# KiCad board PB-TMDSP.kicad_pcb (continued)
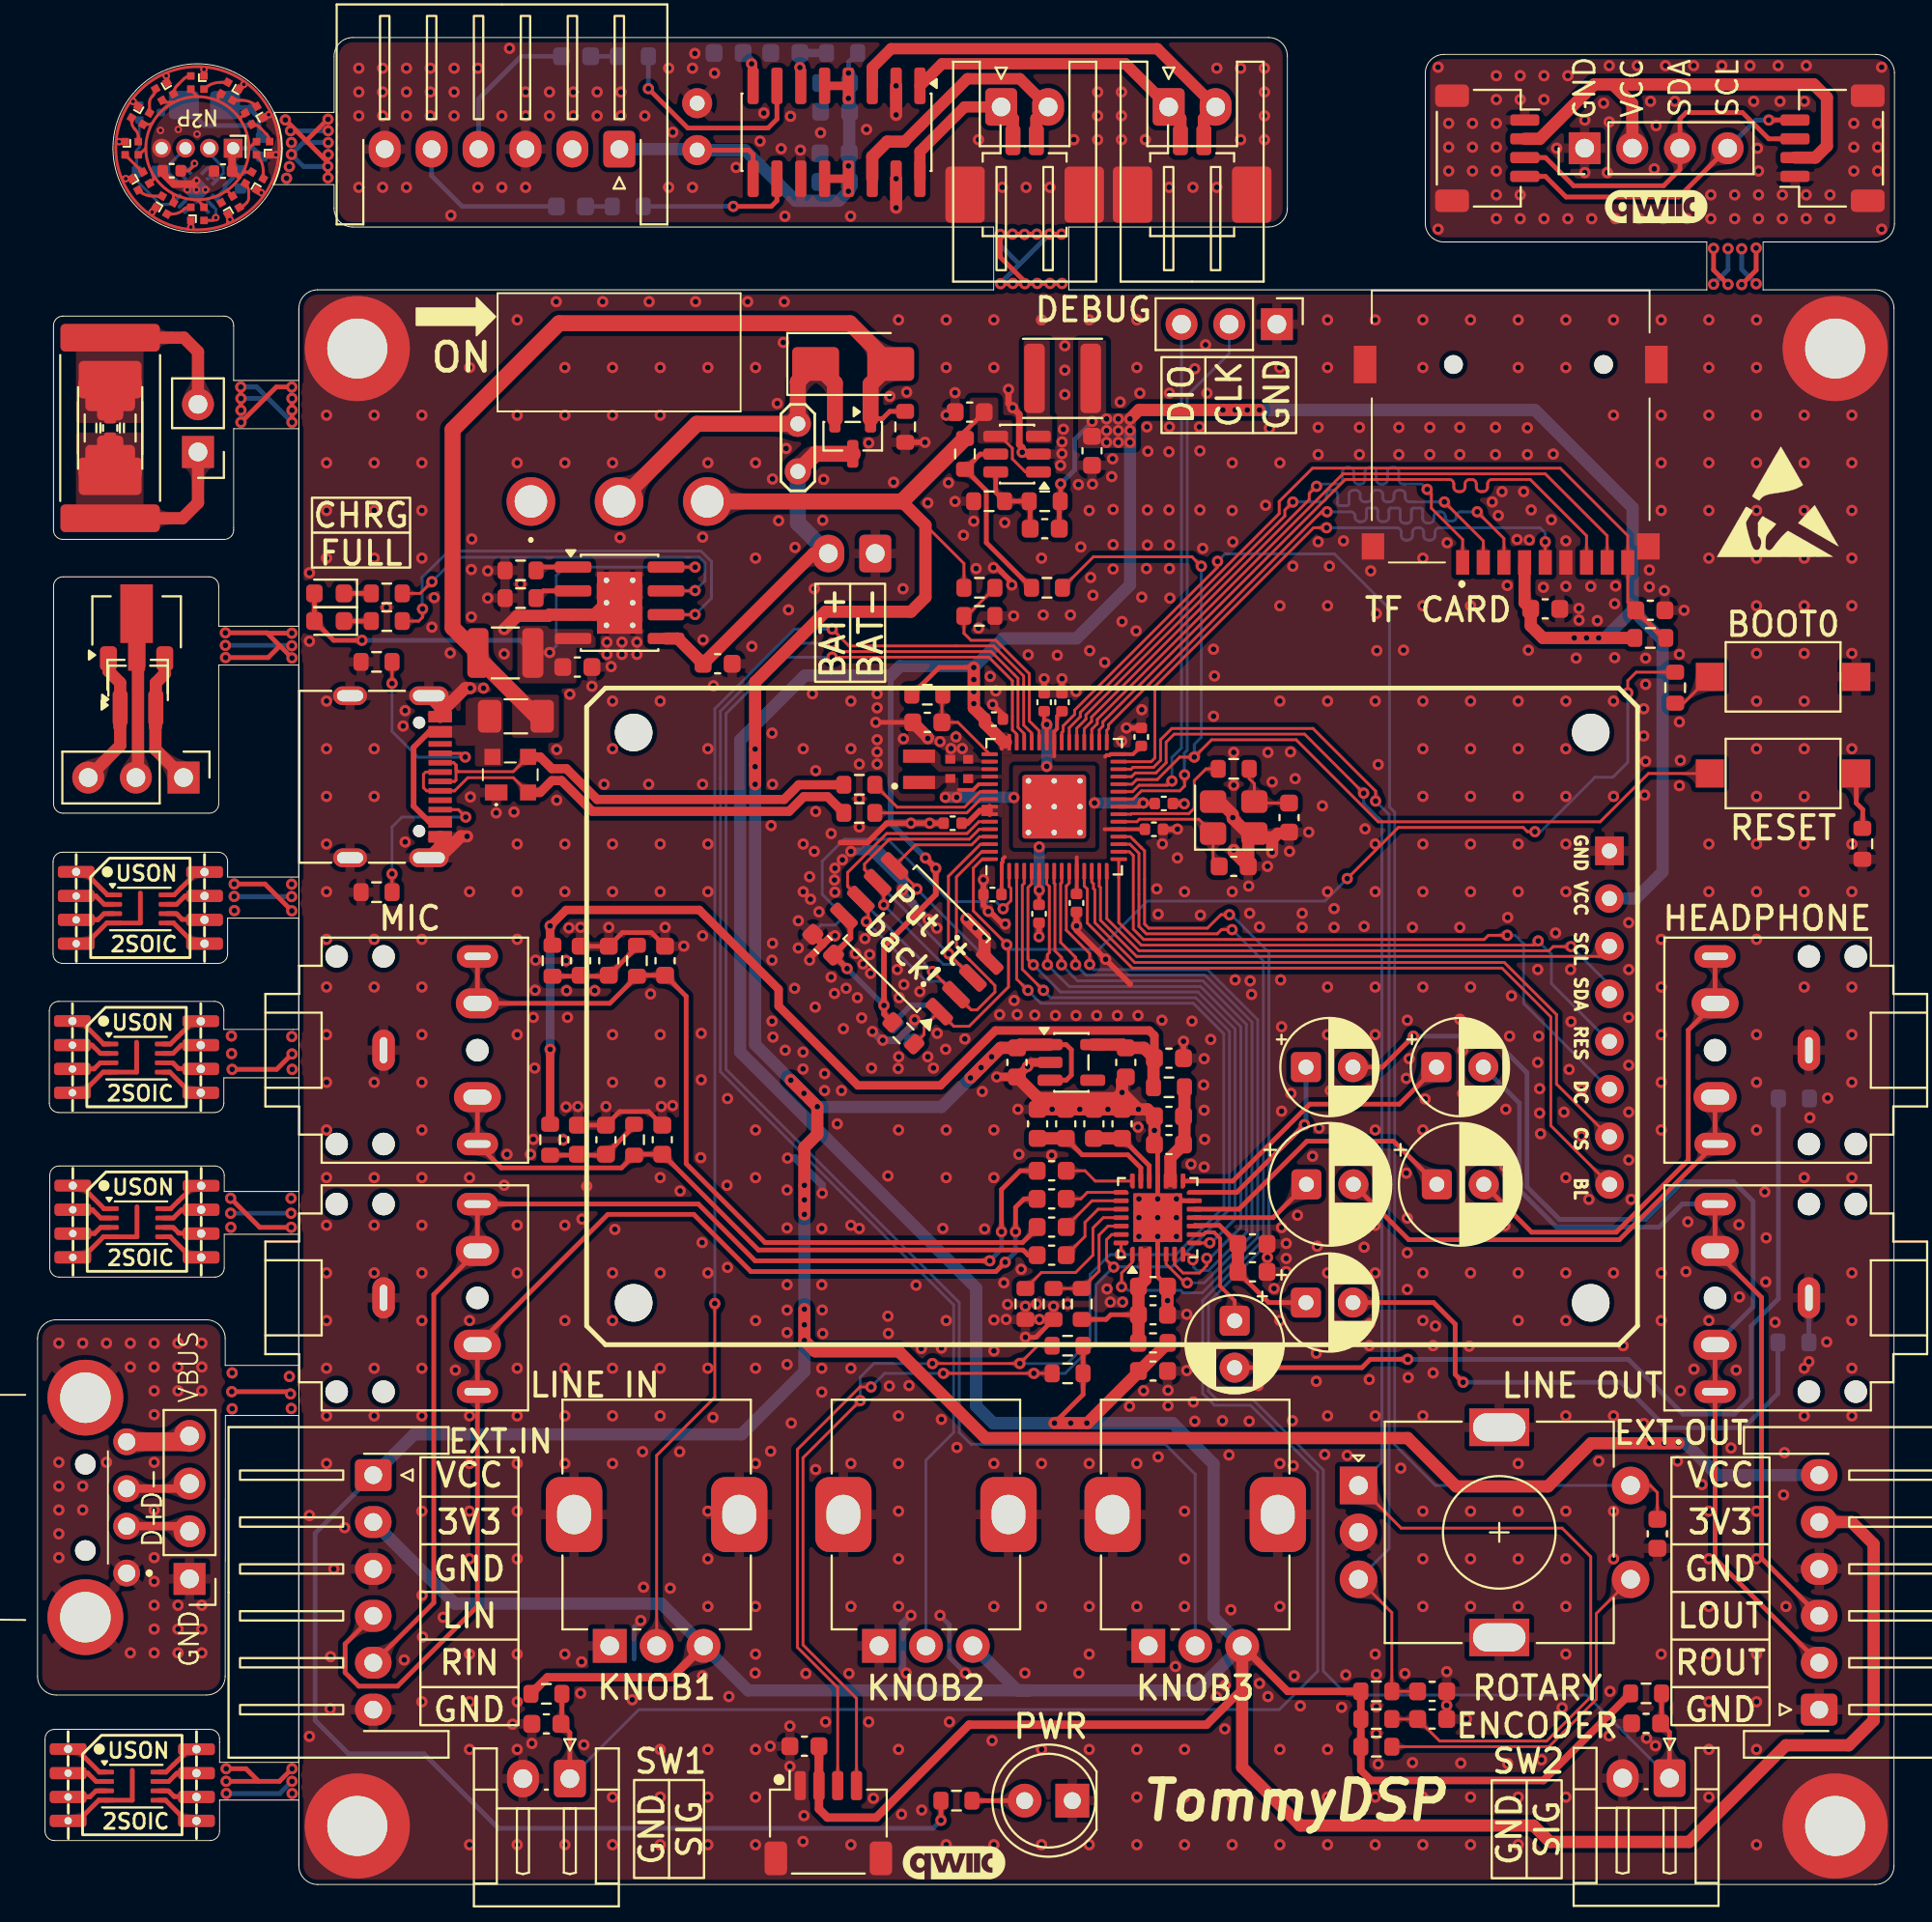
[diagram p0: board, top side]
## Routing (per net, layer and track width the routed paths; a pad name or vN(x,y) marks a point on that pad's centre or on a via; arc(x,y) is an arc through that point) (continued)
VBAT: length 20
  Top w0.65: J401.2 41.34,70.94 C407.1 34.12,66.41 33.49,66.41
  Top w0.85: Q401.3 41.45,76.26 JP401.1
  Bottom w0.85: JP401.1 40.52,72.57 J401.2
VBUS: length 52.9
  Top w0.25: Q401.1 45.03,78.13 45.41,78.52 R409.1
  Top w0.85: Q401.1 44.39,79.97 D403.2 43.29,83.22 27.79,83.22 22.12,77.54 22.12,66.99 R404.1 23.47,65.39 26.59,62.27 F501.2
  Top w1: J1#6.4 7.79,23.6 J2#2.4
VCC: length 294.7
  Top w0.15: D4.3 5.42,92.2 5.77,92.55 ; 7.16,90.16 7.25,90.07 D2.3 ; D3.3 6.19,90.89 6.19,91.08 ; 8.52,89.8 8.87,89.45 D1.3 ; 11.27,92.55 11.62,92.9 D10.3 ; 49.36,69.12 49.36,70.41 47.32,72.46 ; 7.24,94.99 7.23,95 6.74,95 D6.3 ; 53.33,75.29 52.64,75.29 51.95,75.99 51.95,76.55 51.31,77.19 U402.4 ; D5.3 6.04,93.82 6.13,93.91 ; 8.52,95.3 8.17,95.65 D7.3 ; 10.82,94.06 10.82,94.17 D9.3 ; D11.3 10.98,91.28 10.91,91.21 ; D12.3 10.14,90.25 10.04,90.25 ; 9.62,95.06 9.62,95.28 D8.3
  Top w0.25: U1#3.8 7.28,52.75 7.67,53.14 7.68,53.14 7.88,53.34 7.88,53.34 8.51,53.97 U2#2.8 ; C1#2.1 37.9,92.45 38.13,92.22 U1#2.9 ; C2.1 10.44,91.33 10.74,91.02 10.74,91.02 ; U1#5.8 6.85,5.99 7.24,6.39 7.25,6.39 7.45,6.59 7.46,6.59 8.08,7.21 U2#3.8 ; U1#4.8 7.08,44.8 7.47,45.19 7.48,45.19 7.68,45.39 7.68,45.39 8.31,46.02 U2.8 ; U401.1 54.82,44.77 55.09,44.49 55.09,43.14 54.82,42.87 U401.3 ; 6.73,36.02 7.1,36.02 7.49,36.42 7.5,36.42 7.7,36.62 7.71,36.62 8.33,37.24 U2#4.8 ; R410.1 v1(48.14,3.42) ; R403.2 49.42,77.46 C401.1
  Top w0.4: C2.1 10.37,92.49 J1#5.1
  Top w0.45: U1#2.12 U1#2.13 ; U1#2.5 U1#2.4
  Top w0.65: v1(40.87,35.72) v1(40.87,37.27) 40.87,39.29 41.55,39.98 v1(41.55,41.46) v1(40.14,42.87) ; v1(40.87,30.67) v1(40.87,28.99) 41.44,28.42 45.89,28.42 50.52,23.79 73.02,23.79 75.59,21.22 80.49,21.22 82.79,23.52 v1(85.92,23.52) v1(87.44,23.52) ; v1(49.71,42.99) 51.32,44.59 C402.1 52.36,44.77 U401.1 ; 46.06,73.72 47.32,72.46 47.32,68.62 46.54,67.84 41.99,67.84 38.24,64.09 v1(38.24,60.52) v1(38.24,58.64)
  Top w0.85: R403.2 46.06,73.72 S401.3
  Bottom w0.25: v1(48.14,3.42) 47.71,2.99 24.56,2.99 20.59,6.97 16.56,6.97 14.79,8.74 14.79,18.72 J505.1 ; R3#2.1 43.23,97.15 43.23,96.56 v1(43.21,96.55) ; 9.52,89.89 9.54,89.89 10,90.35 10,90.56 10.8,91.36 C1.1 10.42,91.75 J1#5.1 11.49,92.55 R2#2.1
  Bottom w0.65: v1(40.87,37.27) v1(40.87,30.67) 40.87,27.34 37.52,23.99 20.06,23.99 J505.1 ; v1(43.21,90.25) 43.25,90.29 43.25,96.51 v1(43.21,96.55) ; C9.1 43.25,90.3 42.7,89.75 40.4,89.75 37.7,92.45 C1#2.1 35.1,92.5 J1#4.1 ; v1(50.84,44.12) v1(49.71,42.99) 48.17,41.44 41.56,41.44 v1(41.55,41.46) v1(40.84,42.17) v1(40.14,42.87) 38.24,44.77 v1(38.24,60.52) ; J508.6 89.52,21.82 87.82,23.52 v1(85.92,23.52)
  vias: v1(38.24,59.58) v1(40.87,36.49) v1(40.87,29.83) v1(43.21,95.2) v1(43.21,91.6) v1(50.28,43.55) v1(86.68,23.52)
(no net): length 90.1
  Top w0.25: v1(10.83,79.82) 10.83,78.59 v1(10.84,78.58) ; v1(10.84,77.94) 12.72,79.82 v1(13.55,79.82) ; v1(91.58,87.23) 91.58,86.05 v1(90.81,85.28) ; v1(10.29,36.58) 11.84,35.03 v1(13.52,35.03) ; 12.24,66.7 12.22,66.72 v1(10.01,66.72) ; 12.24,66.7 12.92,66.02 ; 12.24,66.7 v1(13.55,66.7) ; v1(54.57,87.97) 51.31,87.97 v1(51.3,87.96) 51.3,86.75 52.71,85.34 v1(54.59,85.34) ; v1(13.21,94.06) 14.32,92.95 ; 14.32,92.95 15.46,94.09 v1(15.48,94.09) ; 14.32,92.95 15.48,91.79 v1(15.48,90.97) ; 12.92,66.02 12.29,65.4 v1(10.02,65.4) ; 12.92,66.02 v1(13.56,65.38) ; v1(90.08,85.29) 89.31,86.06 v1(89.31,87.21) ; v1(10.05,6.17) 11.11,6.17 11.78,5.5 ; 11.78,5.5 12.89,5.5 v1(13.56,6.17) ; 11.78,5.5 v1(10.05,5.5) ; v1(51.32,85.33) v1(52.61,85.33) ; v1(13.55,51.9) 12.12,53.33 v1(10.48,53.33) ; v1(13.56,79.21) v1(13.56,77.94) ; v1(13.56,44.27) 12.74,43.45 v1(10.37,43.45)
  Bottom w0.25: v1(10.84,79.21) 12.29,79.21 ; 12.29,79.21 v1(13.56,77.94) ; 12.29,79.21 11.68,79.82 v1(10.83,79.82) ; v1(90.08,87.2) 90.08,86.07 v1(89.31,85.3) ; v1(13.55,79.82) 13.55,78.59 v1(13.56,78.58) ; v1(10.48,52.67) 10.49,52.66 v1(13.54,52.66) ; 52.32,86.36 51.3,87.38 v1(51.3,87.96) ; 52.32,86.36 51.32,85.36 v1(51.32,85.33) ; 52.32,86.36 v1(53.93,87.97) ; v1(90.81,87.19) 90.81,86.09 v1(91.58,85.32) ; v1(51.95,87.97) v1(53.25,87.97) ; v1(15.49,92.85) 14.16,92.85 v1(13.53,92.22) 14.17,91.58 v1(15.47,91.58) ; v1(13.55,66.03) 13.53,66.05 v1(10.01,66.05) ; v1(13.56,5.5) 12.91,4.85 v1(10.06,4.85) ; v1(10.84,78.58) v1(10.84,77.94) ; v1(15.49,93.48) 13.79,93.48 v1(13.21,94.06) ; v1(10.29,35.78) v1(13.51,35.78)
  vias: v1(10.3,35.03) v1(10.33,45.23) v1(10.34,44.29) v1(10.37,27.27) v1(10.37,25.36) v1(10.49,51.91) v1(13.27,90.95) v1(13.48,93.48) v1(13.42,91.57) v1(13.53,92.85) v1(13.54,53.32) v1(13.55,45.2) v1(13.57,43.45) v1(13.51,36.58) v1(13.52,25.37) v1(13.57,4.85) v1(15.49,92.21) v1(51.97,85.34) v1(52.59,87.96) v1(53.27,85.34) v1(53.95,85.34)
/Audio/ADCVREF: length 4.4
  Top w0.25: C302.1 59.24,38.32 U301.19
  Top w0.65: C306.1 C302.1
/Audio/I2C_ADDR_SEL: length 6.1
  Top w0.15: U301.26 57.04,35.09 56.57,34.62 56.57,32.69 R301.2 R302.2
/Audio/LOUT1: length 15.4
  Top w0.25: U301.12 64.02,35.99 67.64,39.62 72.27,39.62 C316.1
/Audio/LOUT2: length 16
  Top w0.25: U301.15 63.69,37.49 67.79,41.59 72.57,41.59 74.54,43.57 C318.1
/Audio/ROUT1: length 6.7
  Top w0.25: C317.1 65.84,35.54 U301.11
/Audio/ROUT2: length 10.5
  Top w0.25: v1(67.51,40.5) 63.9,36.89 U301.14
  Bottom w0.25: C319.1 67.59,40.58 v1(67.51,40.5)
/Audio/VMID: length 6.9
  Top w0.25: U301.20 58.79,38.2 58.1,38.89 55.67,38.89 C303.1
  Top w0.65: C307.1 C303.1
/Audio/VREF/LCOM: length 9
  Top w0.25: C305.1 65.6,31.02 C326.1 ; C301.1 62.98,35.13 61.68,35.13 U301.10 62.07,35.09
  Top w0.65: C301.1 C305.1 63.99,32.68
/CODEC_I2C_SCL: length 79.4
  Top w0.15: 52.18,54.01 52.18,48.26 v1(52.78,47.66) ; J512.4 43.64,9.92 40.79,12.77 40.79,22.74 v1(43.84,25.79) ; v1(47.69,27.77) v1(52.34,27.77) 53.29,28.72 R103.2 ; v1(57.7,33.57) 57.74,33.61 U301.28
  Bottom w0.15: v1(52.78,47.66) 53.46,46.97 61.59,46.97 63.21,45.35 63.21,36.12 60.66,33.57 v1(57.7,33.57) 57.14,33.57 56.09,32.52 56.09,30.32 56.09,30.32 56.09,28.99 54.86,27.77 v1(52.34,27.77) ; v1(43.84,25.79) 43.84,27.04 44.56,27.77 v1(47.69,27.77)
/CODEC_I2C_SDA: length 79.6
  Top w0.15: v1(53.6,47.66) 52.48,48.78 52.48,53.26 52.58,53.36 52.58,54.01 ; R102.2 v1(53.09,27.24) v1(48.27,27.24) ; v1(57.35,32.91) 57.35,32.91 56.96,33.29 56.96,34.37 57.24,34.64 U301.27 ; J512.3 42.64,10.49 40.49,12.64 40.49,23.19 43.82,26.52 v1(44.42,26.52)
  Bottom w0.15: v1(44.42,26.52) 45.14,27.24 v1(48.27,27.24) ; v1(53.09,27.24) 54.77,27.24 56.39,28.87 56.39,30.19 56.39,30.2 56.39,31.97 57.33,32.91 v1(57.35,32.91) 57.36,32.92 60.44,32.92 63.51,35.99 63.51,45.47 61.71,47.27 53.99,47.27 v1(53.6,47.66)
/CODEC_I2S_DIN: length 33
  Top w0.15: U301.6 60.59,33.04 61.04,32.59 61.92,32.59 62.31,32.99 v1(62.31,33.38) ; v1(53.82,49.02) 53.82,49.57 53.92,49.67 53.92,53.2 53.78,53.34 U203.7
  Bottom w0.15: v1(53.82,49.02) 54.97,47.87 61.97,47.87 64.11,45.72 64.11,35.03 62.47,33.38 v1(62.31,33.38)
/CODEC_I2S_DOUT: length 30.2
  Top w0.15: U301.8 62.46,34.19 v1(62.47,34.21) ; v1(53.07,49.02) 52.78,49.31 52.78,53.14 52.98,53.34 U203.5
  Bottom w0.15: v1(53.07,49.02) 54.52,47.57 61.84,47.57 63.81,45.6 63.81,35.47 62.55,34.21 v1(62.47,34.21)
/CODEC_I2S_LRCK: length 32.2
  Top w0.15: 54.17,53.92 54.17,53.37 54.22,53.32 54.22,49.77 54.57,49.42 v1(54.57,49.02) ; U301.7 61.36,33.59 61.56,33.39 v1(61.56,33.3)
  Bottom w0.15: v1(54.57,49.02) 55.42,48.17 62.09,48.17 64.42,45.84 64.42,34.9 64.42,34.9 64.42,34.74 62.39,32.72 61.79,32.72 61.61,32.9 61.61,33.25 v1(61.56,33.3)
/CODEC_I2S_MCLK: length 37.9
  Top w0.15: v1(56.06,49.04) 56.06,49.62 54.82,50.87 54.82,53.22 54.98,53.38 U203.10 ; v1(57.77,31.86) 57.77,31.95 57.77,31.95 57.77,32.59 58.34,33.17 U301.1
  Bottom w0.15: v1(56.06,49.04) 56.06,48.97 56.27,48.77 62.34,48.77 65.02,46.09 65.02,34.5 62.07,31.54 61.48,31.54 61.48,31.54 61.05,31.54 60.92,31.67 58.11,31.67 57.93,31.86 v1(57.77,31.86)
/CODEC_I2S_SCLK: length 33.9
  Top w0.15: v1(55.32,49.02) 55.32,49.42 54.52,50.22 54.52,53.34 54.58,53.4 U203.9 ; v1(61.27,32.07) 61.14,32.07 60.14,33.07 U301.5
  Bottom w0.15: v1(55.32,49.02) 55.87,48.47 62.22,48.47 64.72,45.97 64.72,34.78 64.72,34.77 64.72,34.62 62.17,32.07 v1(61.27,32.07)
/CS: length 10
  Top w0.25: U1.1 3.55,36.02 2.32,37.25 U2#4.1 ; U2.1 2.3,46.03 3.53,44.8 U1#4.1 ; U1#5.1 3.3,5.99 2.07,7.22 U2#3.1 ; U1#3.1 3.73,52.75 2.5,53.98 U2#2.1
/D+: length 3.5
  Top w0.45: J2#2.2 7.83,19.1 J1#6.2
/D-: length 3.5
  Top w0.45: J2#2.3 7.83,21.1 J1#6.3
/HOLD: length 8.7
  Top w0.25: U2#2.7 7.86,52.69 7.42,52.25 U1#3.7 ; U2#3.7 7.43,5.93 6.99,5.49 U1#5.7 ; U1#4.7 7.22,44.3 7.66,44.74 U2.7 ; U2#4.7 7.68,35.97 7.24,35.52 6.73,35.52
/HPOUT_L: length 25
  Top w0.25: J506.T J506.TN 87.96,45.54 87.96,38.61 84.12,34.77 79.61,34.77 C316.2
/HPOUT_R: length 25.1
  Top w0.25: C317.2 73.07,34.37 84.29,34.37 J506.R J506.RN
/I2C_SCL: length 16.6
  Top w0.25: J1#2.4 87.46,89.95 81.45,89.95 80.35,91.05 J3.4 ; J2#3.4 v1(92.25,94.05)
  Bottom w0.25: v1(92.25,94.05) 91.56,94.05 J1#2.4
/I2C_SDA: length 18.8
  Top w0.25: J3.3 80.35,92.05 81.85,90.55 86.65,90.55 87.52,91.42 J1#2.3 87.52,94.12 87.85,94.45 90.85,94.45 92.25,93.05 J2#3.3
/INL: length 8
  Bottom w0.25: J1#4.4 23.5,95.17 25.78,97.45 C2#2.1
/INR: length 8.7
  Bottom w0.25: J1#4.5 21,91.07 22.62,89.45 C3#2.1
/LCD_BL: length 39.8
  Top w0.15: LCD501.8 80.64,40.45 80.64,46.24 78.04,48.84 58.34,48.84 55.94,51.24 55.94,53.06 55.78,53.22 U203.12
/LCD_DC: length 35.7
  Top w0.15: U203.17 58.18,55.05 58.39,54.84 58.39,50.92 58.94,50.37 77.09,50.37 77.31,50.6 v1(78.32,50.6)
  Bottom w0.15: LCD501.6 83.76,42.4 79.19,46.97 79.19,50.14 78.74,50.6 v1(78.32,50.6)
/LCD_RST: length 33.3
  Top w0.15: v1(79.96,50.3) 79.74,50.07 58.82,50.07 57.61,51.27 57.61,53.67 57.61,53.67 U203.16
  Bottom w0.15: v1(79.96,50.3) 80.67,49.6 80.67,48.03 LCD501.5
/LCD_SPI_CS: length 37.1
  Top w0.15: U203.13 56.18,53.44 56.27,53.35 56.27,53.09 56.34,53.02 56.34,51.27 58.46,49.15 78.16,49.15 80.94,46.37 80.94,42.67 83.76,39.85 83.76,39.85
/LCD_SPI_MOSI: length 31.4
  Top w0.15: v1(81.71,49.99) 80.77,49.99 80.54,49.77 58.69,49.77 56.98,51.49 U203.15
  Bottom w0.15: LCD501.4 83.76,47.95 v1(81.71,49.99)
/LCD_SPI_SCK: length 30.8
  Top w0.15: LCD501.3 83.22,49.47 58.57,49.47 56.64,51.39 56.64,53.14 56.58,53.21 U203.14
/LINEIN_L: length 63.7
  Top w0.25: C314.2 52.57,36.54 52.11,36.09 v1(52.11,34.8) ; v1(51.56,33.17) 51.06,32.67 38.02,32.67 34.97,35.72 30.39,35.72 J504.TN J504.T 23.44,14.83 19.18,10.57 17.12,10.57 16.39,11.29 16.39,12.82 J505.4
  Bottom w0.25: v1(52.11,34.8) 52.11,33.72 v1(51.56,33.17)
/LINEIN_R: length 61.7
  Top w0.25: v1(50.74,33.24) 38.24,33.24 35.22,36.27 J504.R J504.RN 21.12,31.44 21.12,15.02 17.92,11.82 J505.5 ; v1(51.36,34.8) 51.36,37.04 52.36,38.04 C315.2
  Bottom w0.25: v1(50.74,33.24) 51.36,33.87 v1(51.36,34.8)
/LINEOUT_L: length 43.3
  Top w0.25: J510.T J510.TN 91.86,31.29 91.86,17.39 J508.3
  Bottom w0.25: C318.2 78.96,41.65 78.96,37.02 80.94,35.04 86.42,35.04 87.64,36.27 J510.T
/LINEOUT_R: length 58.6
  Top w0.25: J508.2 89.39,17.37 J510.R J510.RN ; v1(73.32,45.22) 71.67,43.57 C319.2
  Bottom w0.25: J510.RN 91.42,30.79 91.42,36.42 90.36,37.47 87.71,37.47 85.69,35.45 81.11,35.45 79.37,37.19 79.37,43.27 77.42,45.22 v1(73.32,45.22)
/LOUT+: length 16.7
  Top w0.6: U1#2.1 48.2,97.05 57.97,97.05 J2.1
  Top w0.65: J6.1 60.9,94.12 J2.1
/LOUT-: length 23
  Top w0.6: J2.2 59.67,97.85 45.48,97.85 44.48,96.85 U1#2.3
  Top w0.65: J6.2 62.15,94.12 J2.2
/MCU-Core/GPIO0: length 19.4
  Top w0.15: U203.2 51.78,53.19 51.87,53.09 51.87,52.44 51.45,52.03 v1(51.45,52.01)
  Bottom w0.15: R202.2 41.75,51.14 42.52,51.14 U202.1 41.81,52.78 41.81,54.54 42.99,55.72 45.29,55.72 48.61,52.39 51.07,52.39 v1(51.45,52.01)
/MCU-Core/QSPI_SCLK: length 16.4
  Top w0.15: U203.56 50.18,56.25 49.65,55.72 45.39,55.72 44.06,54.39 44.06,54.1 U201.6 45.09,53.07 v1(45.09,52.22)
  Bottom w0.15: U202.6 49.14,49.04 48.26,49.04 v1(45.09,52.22)
/MCU-Core/QSPI_SD0: length 12.9
  Top w0.15: v1(46.86,53.06) 46.86,53.1 45.67,54.29 46.79,55.42 49.78,55.42 50.21,55.85 U203.57
  Bottom w0.15: v1(46.86,53.06) 50.69,49.23 U202.5
/MCU-Core/QSPI_SD1: length 19.3
  Top w0.15: U203.59 50.31,55.05 48.96,53.7 48.96,49.97 49.65,49.29 49.65,49.29 50.81,48.14 50.81,48.13 51.02,47.92 51.02,47.57 50.07,46.62 49.75,46.62 U201.2 48.93,47.42 v1(47.69,48.67)
  Bottom w0.15: U202.2 43.88,52.48 v1(47.69,48.67)
/MCU-Core/QSPI_SD2: length 14.2
  Top w0.15: U203.58 50.25,55.45 48.54,53.74 48.54,49.62 v1(48.55,49.61) 49.84,48.32 U201.3
  Bottom w0.15: U202.3 44.78,53.38 v1(48.55,49.61)
/MCU-Core/QSPI_SD3: length 18.2
  Top w0.15: U203.55 50.16,56.65 49.53,56.02 45.24,56.02 43.17,53.94 43.17,53.2 U201.7 44.27,52.1 44.27,51.42 v1(44.17,51.32)
  Bottom w0.15: v1(44.17,51.32) 44.17,51.32 47.34,48.14 48.24,48.14 U202.7
/MCU-Core/QSPI_SS: length 59.9
  Top w0.15: v1(79.79,56.12) 79.39,56.12 79.17,56.34 72.51,56.34 v1(69.79,53.62) ; R201.2 47.24,45.3 47.24,45.72 U201.1 48.83,45.74 49.64,45.74 51.74,47.84 51.74,50.02 51.67,50.09 v1(51.65,50.09) 51.54,50.2 51.54,50.22 49.86,51.89 49.86,54.18 50.34,54.65 U203.60 ; v1(84.74,63.52) 84.74,64.17 85.19,64.62 R205.1
  Bottom w0.15: v1(69.79,53.62) 68.59,52.42 59.14,52.42 56.57,49.85 51.9,49.85 v1(51.65,50.09) ; v1(84.74,63.52) 84.74,59.82 83.94,59.02 82.99,59.02 80.09,56.12 v1(79.79,56.12)
/MCU-Core/VREG_AVDD: length 4.7
  Top w0.15: U203.46 49.04,61.94 C208.1 48.19,63.37 R204.2
/MCU-Core/XIN: length 7.3
  Top w0.15: U203.21 58.58,56.65 58.71,56.78 61.88,56.78 Y201.1 62.64,54.59 C205.1
/MCU-Core/XOUT: length 7.2
  Top w0.15: R206.1 62.27,59.47 61.64,58.84 61.64,57.37 61.35,57.08 58.3,57.08 58.27,57.04 58.26,57.05 U203.22
/MCU-Core/~{USB_BOOT}: length 2.4
  Top w0.15: SW201.2 87.71,62.97 R205.2
/MIC_L: length 35.4
  Top w0.25: C312.2 52.79,33.54 52.52,33.82 38.42,33.82 33.31,38.92 C322.1 31.84,38.92 R305.2 31.11,38.2 24.71,38.2 J502.T J502.TN
/MIC_R: length 44.4
  Top w0.25: J502.R J502.RN 30.5,46.97 32,48.47 33.44,48.47 C325.1 34.56,47.34 34.56,38.42 38.77,34.22 52.49,34.22 53.27,34.99 C313.2
/MISO: length 8.7
  Top w0.25: U2#2.2 3.11,52.69 3.55,52.25 U1#3.2 ; U2#4.2 2.93,35.97 3.37,35.52 U1.2 ; U1#5.2 3.12,5.49 2.68,5.93 U2#3.2 ; U2.2 2.91,44.74 3.35,44.3 U1#4.2
/MOSI: length 9.8
  Top w0.25: U2#4.5 8.17,33.43 7.07,34.52 6.73,34.52 ; U1#4.5 7.05,43.3 8.15,42.2 U2.5 ; U1#3.5 7.25,51.25 8.35,50.15 U2#2.5 ; U2#3.5 7.92,3.39 6.82,4.49 U1#5.5
/PEDAL_1: length 102.6
  Top w0.15: U203.18 58.21,55.45 58.69,54.97 58.69,51.07 59.09,50.67 62.86,50.67 63.09,50.9 v1(63.65,50.9)
  Top w0.25: R505.2 27.94,8.61 C501.1 28.37,8.09 J503.1
  Bottom w0.15: v1(63.65,50.9) 65.32,49.23 65.32,34.37 62.09,31.14 62.09,26.17 62.71,25.54 64.64,25.54 68.21,21.97 68.21,11.37 66.17,9.32 32.04,9.32 J503.1
/PEDAL_2: length 82.3
  Top w0.15: U203.19 58.23,55.85 58.81,55.27 58.99,55.09 58.99,51.19 59.21,50.97 62.34,50.97 63.06,51.69 v1(63.52,51.69)
  Top w0.25: J507.1 86.96,8.11 C502.1 86.54,8.64 R506.2
  Bottom w0.15: J507.1 82.54,10.09 69.79,10.09 68.52,11.37 68.52,22.09 64.77,25.84 62.84,25.84 62.39,26.29 62.39,31.02 65.62,34.25 65.62,49.67 63.6,51.69 v1(63.52,51.69)
/Power/PG_BUCK: length 9.8
  Top w0.25: R101.2 50.56,71.53 50.56,74.29 R403.1 50.23,76.24 U402.5
/R_POT_1: length 74.2
  Top w0.15: v1(42.34,66.92) 43.24,66.02 50.94,66.02 52.55,64.41 52.55,61.8 52.98,61.37 U203.41 ; RV501.2 32.99,22.87 36.09,25.97 v1(36.09,30.97)
  Bottom w0.15: v1(42.34,66.92) 40.34,66.92 36.09,62.67 v1(36.09,30.97)
/R_POT_2: length 77.3
  Top w0.15: v1(42.34,66.17) 42.79,65.72 50.82,65.72 52.25,64.29 52.25,61.67 52.58,61.34 U203.42
  Bottom w0.15: RV502.2 47.34,22.62 48.81,24.09 48.81,30.89 36.39,43.32 36.39,58.94 36.39,62.54 40.01,66.17 v1(42.34,66.17)
/R_POT_3: length 86.5
  Top w0.15: U203.43 52.18,61.32 51.95,61.55 51.95,64.16 50.69,65.42 v1(42.34,65.42)
  Bottom w0.15: v1(42.34,65.42) 39.69,65.42 36.69,62.42 36.69,43.44 49.11,31.02 49.11,24.09 49.74,23.47 60.09,23.47 61.69,21.87 RV503.2
/ROTARY_ENCODER_BUTTON: length 84.8
  Top w0.15: C508.1 86.32,20.89 85.94,21.27 SW501.S2 ; v1(62.88,70.53) 62.88,70.21 55.26,62.6 55.26,62.37 54.65,61.76 54.65,61.47 54.58,61.39 U203.37
  Bottom w0.15: v1(62.88,70.53) 63.27,70.92 69.11,70.92 72.04,67.99 72.04,57.44 72.32,57.16 72.32,23.44 74.49,21.27 SW501.S2
/ROTARY_ENCODER_CLK: length 87.2
  Top w0.15: v1(70.67,58.17) 67.52,61.32 60.57,61.32 60.14,60.89 60.14,59.8 59.59,59.25 58.5,59.25 58.3,59.05 U203.27 ; 72.17,8.82 C504.1 74.71,7.65 80.42,7.65 82.76,9.99 82.76,17.47 81.24,18.99 72.67,18.99 SW501.A
  Bottom w0.15: SW501.A 71.64,22.52 71.64,56.67 70.67,57.64 v1(70.67,58.17)
/ROTARY_ENCODER_DT: length 67.7
  Top w0.15: U203.28 58.27,59.45 58.37,59.55 59.47,59.55 59.84,59.92 59.84,61.02 60.44,61.62 67.96,61.62 71.3,58.28 v1(71.3,57.75) ; C505.1 72.17,10.29 72.17,14.49 SW501.B
  Bottom w0.15: v1(71.3,57.75) 72.02,57.04 72.02,17.89 SW501.B
/ROUT+: length 8.8
  Top w0.6: J3#2.1 49.4,94.75 47.02,92.37 U1#2.16
  Top w0.65: J4.1 51.98,94.12 J3#2.1
/ROUT-: length 14.9
  Top w0.6: J3#2.2 52.35,96.25 49.55,96.25 46.2,92.9
  Top w0.65: J4.2 53.23,94.12 J3#2.2 ; 46.2,92.9 45.28,92.9 44.48,92.1 U1#2.14
/RST: length 1.5
  Top w0.15: v2(8.36,91.74) 8.36,91.65 8.06,91.35 C3.1
  Bottom w0.15: v2(8.36,91.74) U1#6.12
/RUN: length 54
  Top w0.15: v1(62.02,70.27) 61.52,70.77 56.27,70.77 R101.1 ; U203.26 58.33,58.65 58.57,58.9 59.67,58.9 60.86,60.09 v1(61.64,60.09) 62.56,61.02 67.07,61.02 71.44,56.64 83.27,56.64 85.84,59.22 SW202.2
  Bottom w0.15: v1(61.64,60.09) 61.64,60.77 62.02,61.14 v1(62.02,70.27)
/SCK: length 8.5
  Top w0.25: U1#3.6 7.4,51.75 7.45,51.7 7.45,51.7 7.68,51.47 7.68,51.47 7.71,51.44 8.88,51.44 U2#2.6 ; U2#4.6 8.7,34.72 7.53,34.72 7.5,34.75 7.5,34.75 7.28,34.98 7.27,34.98 7.22,35.02 6.73,35.02 ; U1#4.6 7.2,43.8 7.25,43.75 7.25,43.75 7.48,43.52 7.48,43.52 7.51,43.49 8.68,43.49 U2.6 ; U1#5.6 6.97,4.99 7.02,4.94 7.03,4.94 7.25,4.72 7.25,4.71 7.28,4.68 8.45,4.68 8.47,4.66
/SD_CLK/SCK: length 33.6
  Top w0.15: v1(80.34,71.57) J511.5 ; U203.29 59.34,59.85 59.54,60.05 59.54,63.86 68,72.32 v1(68.69,72.32)
  Bottom w0.15: v1(68.69,72.32) 72.43,72.32 arc(72.6,72.25) 72.67,72.08 72.67,71.9 arc(72.74,71.73) 72.91,71.66 73.03,71.66 arc(73.2,71.73) 73.27,71.9 73.27,72.08 arc(73.34,72.25) 73.51,72.32 73.63,72.32 arc(73.8,72.25) 73.87,72.08 73.87,71.9 arc(73.94,71.73) 74.11,71.66 74.23,71.66 arc(74.4,71.73) 74.47,71.9 74.47,72.08 arc(74.54,72.25) 74.71,72.32 80.07,72.32 80.34,72.04 v1(80.34,71.57)
/SD_CMD/MOSI: length 33.6
  Top w0.15: J511.3 78.14,71.74 v1(76.71,73.17) ; U203.31 56.98,61.53 57.07,61.62 57.07,61.82 68.42,73.17 v1(68.71,73.17)
  Bottom w0.15: v1(68.71,73.17) 69.97,73.17 arc(70.14,73.1) 70.21,72.93 70.21,72.88 arc(70.28,72.71) 70.45,72.64 70.57,72.64 arc(70.74,72.71) 70.81,72.88 70.81,73.27 arc(70.84,73.34) 70.91,73.37 71.31,73.37 arc(71.38,73.34) 71.41,73.27 71.41,72.89 arc(71.48,72.72) 71.65,72.65 71.77,72.65 arc(71.94,72.72) 72.01,72.89 72.01,73.27 arc(72.04,73.34) 72.11,73.37 72.51,73.37 arc(72.58,73.34) 72.61,73.27 72.61,72.79 arc(72.68,72.62) 72.85,72.55 72.97,72.55 arc(73.14,72.62) 73.21,72.79 73.21,73.27 arc(73.24,73.34) 73.31,73.37 73.71,73.37 arc(73.78,73.34) 73.81,73.27 73.81,72.81 arc(73.88,72.64) 74.05,72.57 74.17,72.57 arc(74.34,72.64) 74.41,72.81 74.41,72.93 arc(74.48,73.1) 74.65,73.17 74.77,73.17 arc(74.94,73.1) 75.01,72.93 75.01,72.91 arc(75.08,72.74) 75.25,72.67 75.37,72.67 arc(75.54,72.74) 75.61,72.91 75.61,72.93 arc(75.68,73.1) 75.85,73.17 v1(76.71,73.17)
/SD_DAT0/MISO: length 36.7
  Top w0.15: U203.32 56.58,61.55 56.77,61.75 56.77,61.97 69.69,74.89 75.23,74.89 arc(75.4,74.82) 75.47,74.65 75.47,74.48 arc(75.54,74.32) 75.71,74.24 75.83,74.24 arc(76,74.32) 76.07,74.48 76.07,74.65 arc(76.14,74.82) 76.31,74.89 76.43,74.89 arc(76.6,74.82) 76.67,74.65 76.67,74.48 arc(76.74,74.32) 76.91,74.24 77.03,74.24 arc(77.2,74.32) 77.27,74.48 77.27,74.65 arc(77.34,74.82) 77.51,74.89 79.54,74.89 82.54,71.89 J511.7
/SD_DAT1: length 36.7
  Top w0.15: U203.33 56.18,61.58 56.47,61.87 56.47,62.1 69.56,75.19 80.34,75.19 83.64,71.89 J511.8
/SD_DAT2: length 33.6
  Top w0.15: v1(74.05,74.37) 74.27,74.14 74.27,73.36 75.94,71.69 J511.1 ; U203.34 55.78,61.6 56.17,62 56.17,62.22 67.77,73.82 67.77,74.14 v1(68.16,74.53)
  Bottom w0.15: v1(74.05,74.37) 73.77,74.64 72.78,74.64 arc(72.61,74.71) 72.54,74.88 72.54,75.3 arc(72.47,75.47) 72.3,75.54 72.18,75.54 arc(72.01,75.47) 71.94,75.3 71.94,74.88 arc(71.87,74.71) 71.7,74.64 71.58,74.64 arc(71.41,74.71) 71.34,74.88 71.34,75.3 arc(71.27,75.47) 71.1,75.54 70.98,75.54 arc(70.81,75.47) 70.74,75.3 70.74,74.88 arc(70.67,74.71) 70.5,74.64 70.38,74.64 arc(70.21,74.71) 70.14,74.88 70.14,75.3 arc(70.07,75.47) 69.9,75.54 69.78,75.54 arc(69.61,75.47) 69.54,75.3 69.54,74.88 arc(69.47,74.71) 69.3,74.64 68.27,74.64 v1(68.16,74.53)
/SD_DAT3/CS: length 33.6
  Top w0.15: v1(74.96,73.69) 77.04,71.62 J511.2 ; U203.35 55.38,61.63 55.87,62.12 55.87,62.35 66.46,72.95 66.46,73.26 v1(66.89,73.69)
  Bottom w0.15: v1(74.96,73.69) 73.12,73.69 arc(72.95,73.76) 72.88,73.93 72.88,74.08 arc(72.81,74.25) 72.64,74.32 72.52,74.32 arc(72.35,74.25) 72.28,74.08 72.28,73.93 arc(72.21,73.76) 72.04,73.69 71.92,73.69 arc(71.75,73.76) 71.68,73.93 71.68,74.08 arc(71.61,74.25) 71.44,74.32 71.32,74.32 arc(71.15,74.25) 71.08,74.08 71.08,73.93 arc(71.01,73.76) 70.84,73.69 70.72,73.69 arc(70.55,73.76) 70.48,73.93 70.48,74.08 arc(70.41,74.25) 70.24,74.32 70.12,74.32 arc(69.95,74.25) 69.88,74.08 69.88,73.59 arc(69.85,73.52) 69.78,73.49 69.38,73.49 arc(69.31,73.52) 69.28,73.59 69.28,74.09 arc(69.21,74.26) 69.04,74.33 68.92,74.33 arc(68.75,74.26) 68.68,74.09 68.68,73.93 arc(68.61,73.76) 68.44,73.69 66.9,73.69 v1(66.89,73.69)
/SD_DET: length 44.6
  Top w0.15: C507.1 84.74,68.34 J511.9 84.74,71.89 81.14,75.49 67.94,75.49 66.17,73.72 66.17,73.07 55.57,62.47 55.57,62.24 54.98,61.65 U203.36
  Top w0.25: R509.2 86.64,66.44 C507.1
/SWCLK: length 29.4
  Top w0.15: U203.24 58.38,57.85 58.82,58.29 60.86,58.29 61.12,58.55 v1(61.12,59.15)
  Bottom w0.15: v1(61.12,59.15) 61.11,59.16 61.11,59.88 61.11,59.88 61.11,60.31 61.26,60.46 61.26,79.37 63.5,81.6 J509.2
/SWD: length 27.6
  Top w0.15: U203.25 58.35,58.25 58.7,58.6 60.22,58.6 v1(60.45,58.82)
  Bottom w0.15: 60.44,58.83 v1(60.45,58.82) 60.45,60.07 60.96,60.58 J509.3
/USB_D+: length 26.4
  Top w0.15: D501.2 25.35,58.99 22.92,58.99 22.23,58.29 J501.B6 20.73,58.29 20.56,58.46 20.56,59.17 20.69,59.29 J501.A6
  Top w0.486: D501.2 26.78,58.21 27.41,58.84 27.92,58.84 29.56,57.2 40.05,57.2 40.83,57.98 42.1,57.98 R207.1
/USB_D-: length 25.1
  Top w0.15: 22.3,59.67 22.3,58.87 22.23,58.79 J501.A7 ; 22.3,59.67 22.18,59.79 J501.B7 ; 22.3,59.67 22.3,59.44 22.43,59.32 25.35,59.32 D501.3
  Top w0.486: R208.1 40.57,58.62 39.78,57.84 29.82,57.84 28.18,59.47 27.41,59.47 26.78,60.11 D501.3
/VREF: length 2
  Top w0.45: U1#2.8 38.13,96.97 v1(38.05,97.05)
  Bottom w0.45: C5.1 38.05,97.17 v1(38.05,97.05)
/WP: length 8.5
  Top w0.25: U1#4.3 3.34,43.8 3.01,43.47 U2.3 ; U2#2.3 3.21,51.42 3.54,51.75 U1#3.3 ; U1.3 3.36,35.02 3.03,34.7 U2#4.3 ; 1.63,4.66 2.78,4.66 3.11,4.99 U1#5.3
BUZZER: length 6.1
  Bottom w0.15: Q1#2.1 5.42,92.58 5.29,92.45 R1#3.1 5.29,90.81 6.55,89.55 7.11,89.55 7.43,89.87 U1#6.9
NEOPIXEL: length 1.5
  Top w0.15: D1.2 9.35,88.7 v2(9.5,88.85)
  Bottom w0.15: U1#6.5 9.5,89.3 v2(9.5,88.85)
SDA/TX: length 2.6
  Bottom w0.15: J1#5.2 9.15,92.27 9.9,91.52 9.9,91.21 U1#6.3 U1#6.2
SWIO/SCL/RX: length 2.4
  Bottom w0.15: U1#6.10 7,91.24 7,91.67 J1#5.3 ; 7.73,92.53 7.73,92.62
Net-(BZ1-+): length 3.3
  Bottom w0.25: BZ1.1 10.13,94.72 D13.1 11.35,94.61 11.8,94.16 11.8,93.26 R2#2.2
Net-(BZ1--): length 5.4
  Bottom w0.25: Q1#2.3 6.98,94.85 BZ1.2 8.89,93.75 11.23,93.75 D13.2
Net-(C2-Pad2): length 1.4
  Bottom w0.25: R1#2.1 C2#2.2
Net-(C3-Pad2): length 1.4
  Bottom w0.25: R2#3.1 C3#2.2
Net-(C206-Pad1): length 3.7
  Top w0.15: 64.57,59.47 64.57,58.94 64.84,58.67 Y201.3 64.92,57.64 66.69,57.64
Net-(C320-Pad1): length 5.2
  Top w0.25: R304.2 30.24,38.87 C321.1 31.79,40.42 R305.1
Net-(C323-Pad1): length 5.2
  Top w0.25: R307.1 31.94,49.96 C324.1 30.39,48.41 27.44,48.41
Net-(C326-Pad2): length 30.5
  Top w0.25: v1(75.96,26.77) 75.54,27.19 75.54,29.87 74.39,31.02 C326.2
  Bottom w0.25: R308.2 92.74,26.17 90.92,24.34 86.79,24.34 84.36,26.77 v1(75.96,26.77)
Net-(C327-Pad2): length 45.8
  Top w0.25: v1(73.02,27.99) 71.02,27.99 70.57,27.55 C327.2
  Bottom w0.25: v1(73.02,27.99) 84.77,27.99 87.69,25.07 90.42,25.07 91.32,25.97 91.32,29.77 92.77,31.22 R309.1
Net-(D1-DOUT): length 1.4
  Top w0.15: D2.2 7.17,89.04 arc(7.51,89.11) 7.8,89.3 7.82,89.32 arc(7.91,89.38) 8.02,89.4 D1.4
Net-(D2-DOUT): length 1.4
  Top w0.15: D2.4 6.14,90 arc(5.72,90.08) D3.2
Net-(D3-DOUT): length 1.4
  Top w0.15: 5.57,91.29 D4.2 ; 5.57,91.29 arc(5.59,91.28) D3.4 arc(5.59,91.28) 5.57,91.29
Net-(D4-DOUT): length 1.4
  Top w0.15: D4.4 5.37,93.14 arc(5.33,93.36) 5.2,93.55 5.19,93.56 arc(5.06,93.76) 5.01,93.99 D5.2
Net-(D5-DOUT): length 1.4
  Top w0.15: D5.4 5.97,94.98 arc(6,95.15) 6.1,95.3 6.14,95.34 arc(6.25,95.51) D6.2
Net-(D6-DOUT): length 1.4
  Top w0.15: D6.4 arc(7.29,95.68) 7.42,95.87 7.8,96.24 arc(7.97,96.36) D7.2
Net-(D7-DOUT): length 1.4
  Top w0.15: D8.2 9.74,96.06 arc(9.27,95.96) D7.4
Net-(D8-DOUT): length 1.4
  Top w0.15: D8.4 10.89,95.1 arc(11.32,95.02) D9.2
Net-(D10-DIN): length 1.4
  Top w0.15: D9.4 11.51,93.82 arc(11.66,93.79) 11.8,93.7 12.21,93.29 arc(12.33,93.11) D10.2
Net-(D10-DOUT): length 1.4
  Top w0.15: D11.2 12.03,91.33 arc(11.93,91.8) D10.4
Net-(D11-DOUT): length 1.6
  Top w0.15: D11.4 arc(11.2,90.47) 11.25,90.24 11.25,89.89 arc(11.22,89.76) 11.15,89.65 10.99,89.49 arc(10.88,89.42) D12.2
Net-(D401-A): length 28.1
  Top w0.15: v1(35.04,70.22) 35.03,70.22 U403.8
  Top w0.25: v1(17.29,66.32) 15.78,66.32 D401.2 D402.2
  Bottom w0.15: v1(27.29,65.67) 27.64,66.02 27.64,69.77 28.09,70.22 v1(35.04,70.22)
  Bottom w0.25: v1(17.29,66.32) 25.72,66.32 26.37,65.67 v1(27.29,65.67)
Net-(D401-K): length 1.5
  Top w0.25: D401.1 R401.1
Net-(D402-K): length 1.5
  Top w0.25: D402.1 R402.1
Net-(D403-K): length 18.2
  Top w0.85: S401.2 35.13,77.86 JP401.2 40.52,80.1 D403.1 42.49,80.02 Q401.2
Net-(D404-A): length 2.8
  Top w0.25: R410.2 D404.2
Net-(D501-REF): length 6.7
  Top w0.3: 21.45,61.44 20.87,61.44 20.04,60.61 20.04,57.48 20.87,56.64 J501.A9
Net-(J1-Pin_1): length 14.7
  Top w0.65: Q1.2 6.3,64.05 6.78,64.53 Q3.3 ; J1.1 6.28,60.5 Q2.2 ; R7.1 7.73,72.82 8.55,73.65 J1#3.1
Net-(J1-Pin_2): length 14.5
  Top w0.65: Q1.3 5.35,59.12 J1.2 ; J1#3.2 8.55,81.7 7.8,82.45 R7.2
Net-(J1-Pin_3): length 7.3
  Top w0.65: J1.3 4.4,60.71 Q1.1 4.4,64.05 3.78,64.68 Q3.1
Net-(J501-CC1): length 9.6
  Top w0.15: v1(22.79,60.09) 22.74,60.09 22.54,60.29 J501.A5 ; v1(18.89,64.02) R503.1
  Bottom w0.15: v1(18.89,64.02) 18.89,61.47 20.27,60.09 v1(22.79,60.09)
Net-(J501-CC2): length 9.1
  Top w0.15: v1(18.89,53.87) R504.1 ; v1(22.81,56.89) 22.42,57.29 J501.B5
  Bottom w0.15: v1(18.89,53.87) 18.89,56.37 19.42,56.89 v1(22.81,56.89)
Net-(R203-Pad1): length 3.1
  Top w0.25: R203.1 97.26,56.31 97.26,57.3 96.92,57.64 SW202.1
Net-(R510-Pad2): length 19.1
  Top w0.15: 72.17,7.34 80.54,7.34 83.07,9.87 83.07,14.44 SW501.S1
Net-(U1-INL): length 11.4
  Top w0.25: U1#2.7 39.4,94.1 38.92,93.62 34.65,93.62 v1(32.55,95.72)
  Bottom w0.25: v1(32.55,95.72) R1#2.2
Net-(U1-INR): length 8.4
  Top w0.25: v1(37.08,89.45) 39.1,89.45 39.4,89.75 U1#2.10
  Bottom w0.25: v1(37.08,89.45) R2#3.2
Net-(U1-VDD): length 3.2
  Top w0.45: v1(40.62,96.85) 40.67,96.8 U1#2.6
  Bottom w0.45: v1(40.62,96.85) C7.2 R3#2.2
Net-(U203-USB_DM): length 7
  Top w0.15: R208.2 45.81,57.42 49.4,57.42 50.22,58.25 U203.51
Net-(U203-USB_DP): length 6.4
  Top w0.15: R207.2 48.91,57.12 48.92,57.12 49.52,57.12 50.25,57.85 U203.52
Net-(U301-LIN1): length 4.4
  Top w0.15: C312.1 55.82,34.54 55.82,35.29 56.52,35.99 U301.24
Net-(U301-LIN2): length 3.1
  Top w0.15: U301.22 55.94,36.89 55.59,36.54 C314.1
Net-(U301-NC/HPCOM): length 6.3
  Top w0.2: C327.1 63.79,31.12 63.02,31.89 63.02,34.43 62.7,34.76 62.24,34.76 62.13,34.64 U301.9
Net-(U301-NC/MODE): length 7.5
  Top w0.15: R310.1 53.49,32.62 55.32,32.62 56.24,33.54 56.24,34.99 56.79,35.54 U301.25
Net-(U301-RIN1): length 3.5
  Top w0.15: 57.74,36.44 56.19,36.44 54.82,35.07 C313.1
Net-(U301-RIN2): length 3.8
  Top w0.15: U301.21 56.36,37.49 55.82,38.04 C315.1
Net-(U402-FB): length 4.6
  Top w0.25: C405.2 52.89,73.68 R405.2 R406.1 51.06,74.21 51.06,75.29
Net-(U403-PROG): length 2.1
  Top w0.25: U403.2 26.95,68.95 R407.1
Net-(U403-TEMP): length 2
  Top w0.25: R408.1 26.75,70.22 U403.1
Net-(U403-~{CHRG}): length 20.3
  Top w0.15: v1(35.04,68.97) 35.03,68.95 U403.7 ; R402.2 20.39,68.82 v1(21.02,69.44)
  Bottom w0.15: v1(21.02,69.44) 22.32,70.75 35.26,70.75 35.57,70.44 35.57,69.5 v1(35.04,68.97)
Net-(U403-~{STDBY}): length 24.3
  Top w0.15: v1(35.04,67.69) 35.03,67.68 U403.6 ; v1(20.52,67.99) 20.52,67.54 20.31,67.34 R401.2
  Bottom w0.15: v1(35.04,67.69) 35.92,68.57 35.92,70.51 35.36,71.07 21.9,71.07 20.49,69.66 20.49,68.02 v1(20.52,67.99)

## Copper pours and planes (outline as drawn; the poured copper is in the pictures)
+1V1 on Top: 48.88,59.1 46.13,59.1 46.13,58.4 47.98,58.4 48.28,58.7 48.43,58.7 48.43,58.5 48.08,58.15 48.08,57.95 48.38,57.65 48.98,57.65 49.28,57.95 49.28,58.45 49.08,58.45 49.08,59 48.88,59
+1V1 on Top: 56.38,59.65 56.38,55.25 51.98,55.25 51.98,59.65
+3V3 on Top: 56.98,60.25 56.98,54.65 51.38,54.65 51.38,60.25
+3V3 on Top: 55.45,76.56 55.45,82.31 56.95,82.31 56.95,76.56
+3V3 on Top, Bottom: 56.67,76.57 58.54,76.57 58.54,78.42 56.67,78.42
/Audio/DVDD on Top: 58.59,34.04 59.44,34.04 59.44,32.79 58.59,32.79
GND on Top: 51.03,59.75 49.33,59.75 49.33,59.9 48.88,59.9 48.88,59.75 48.38,59.75 48.38,60.55 48.68,60.85 49.43,60.85 50.33,59.95 51.03,59.95
GND on Top, Bottom: 73.95,87.55 73.95,97.55 98.95,97.55 98.95,87.55
GND on Top, Bottom: 13.7,87.3 3.2,87.3 3.2,97.8 13.7,97.8
GND on Top, Bottom: 13.89,85.07 98.99,85.07 98.99,-0.03 13.79,-0.03
GND on Top, Bottom: 10,30.1 10,10.1 0,10.1 0,30.1
GND on Top, Bottom: 15.75,98.5 15.75,88.3 66.65,88.3 66.65,98.5
VBUS on Top: 25.29,61.12 27.79,61.12 27.79,63.42 25.29,63.42
VCC on Top: 49.67,77.81 49.67,79.26 51.2,79.26 51.2,78.06 51.95,78.06 51.95,76.81 50.1,76.81 50.1,77.81
/MCU-Core/VREG_LX on Top: 51.03,59.35 50.23,59.35 50.18,59.3 48.03,59.3 47.53,59.8 46.13,59.8 46.13,60.5 47.83,60.5 48.13,60.2 48.13,59.75 48.28,59.6 50.18,59.6 50.23,59.55 51.03,59.55
Net-(D401-A) on Top: 25.56,67.17 27.06,67.17 27.31,66.92 29.74,66.92 29.74,65.92 28.72,65.92 28.72,64.02 25.56,64.02
Net-(D501-REF) on Top: 20.81,61.79 20.81,60.69 23.31,60.69 23.31,59.54 24.81,59.54 24.81,63.29 22.81,63.29 22.81,61.79
Net-(J1-Pin_1) on Top: 2.05,77.4 5.65,77.4 5.65,73.5 2.05,73.5
Net-(J1-Pin_2) on Top: 2.05,81.8 5.65,81.8 5.65,77.9 2.05,77.9
Net-(U402-SW) on Top: 52.55,76.81 52.55,82.31 53.95,82.31 53.95,78.31 54.07,78.31 54.07,76.81

Small or netless copper shapes (teardrops, artwork), in the pictures only: 584 on Top, 162 on Bottom

## Text on the board
B.Silkscreen: N^{2}P | SPI / FLASH! | Qwiic / to / PinHeaders | GND | VCC | SDA | SCL | Jason / Chen / 2026.02 | SMD2THT / 3P | Put it / back! | SMD2THT / 2P | DIO | CLK | 3V3 | LIN | RIN | Jason Chen / 2026.02	REV 1.0.0 | ECE5 Group 6 / Jason / Mua'az / Smrethi | LOUT | ROUT | DEBUG | 2026.02 | INR | INL | NC | V+ | Jason / Chen | R+ | R- | L+ | L- | PAM8406 / Audio / Amplifier | BAT+ / BAT-
User.Drawings: LCD POSITION: / X:167.8 mm / Y:106.975 mm | CODEC POSITION: / X:166.9 mm / Y:117.825 mm
F.Silkscreen: N^{2}P | 2SOIC | USON | VBUS | D- | D+ | GND | VCC | SDA | SCL | EXT.IN | EXT.OUT | Put it / back! | CHRG / FULL | MIC | 3V3 | LIN | RIN | LINE IN | KNOB1 | SW1 | KNOB2 | PWR | KNOB3 | TF CARD | SW2 | ROTARY / ENCODER | LINE OUT | LOUT | ROUT | HEADPHONE | BOOT0 | RESET | DEBUG | GND / SIG | BAT+ / BAT- | DIO | CLK | ON | TommyDSP
